# Altium PCB RFSOC_SAWG.PcbDoc (part 12 of 15) (continued)
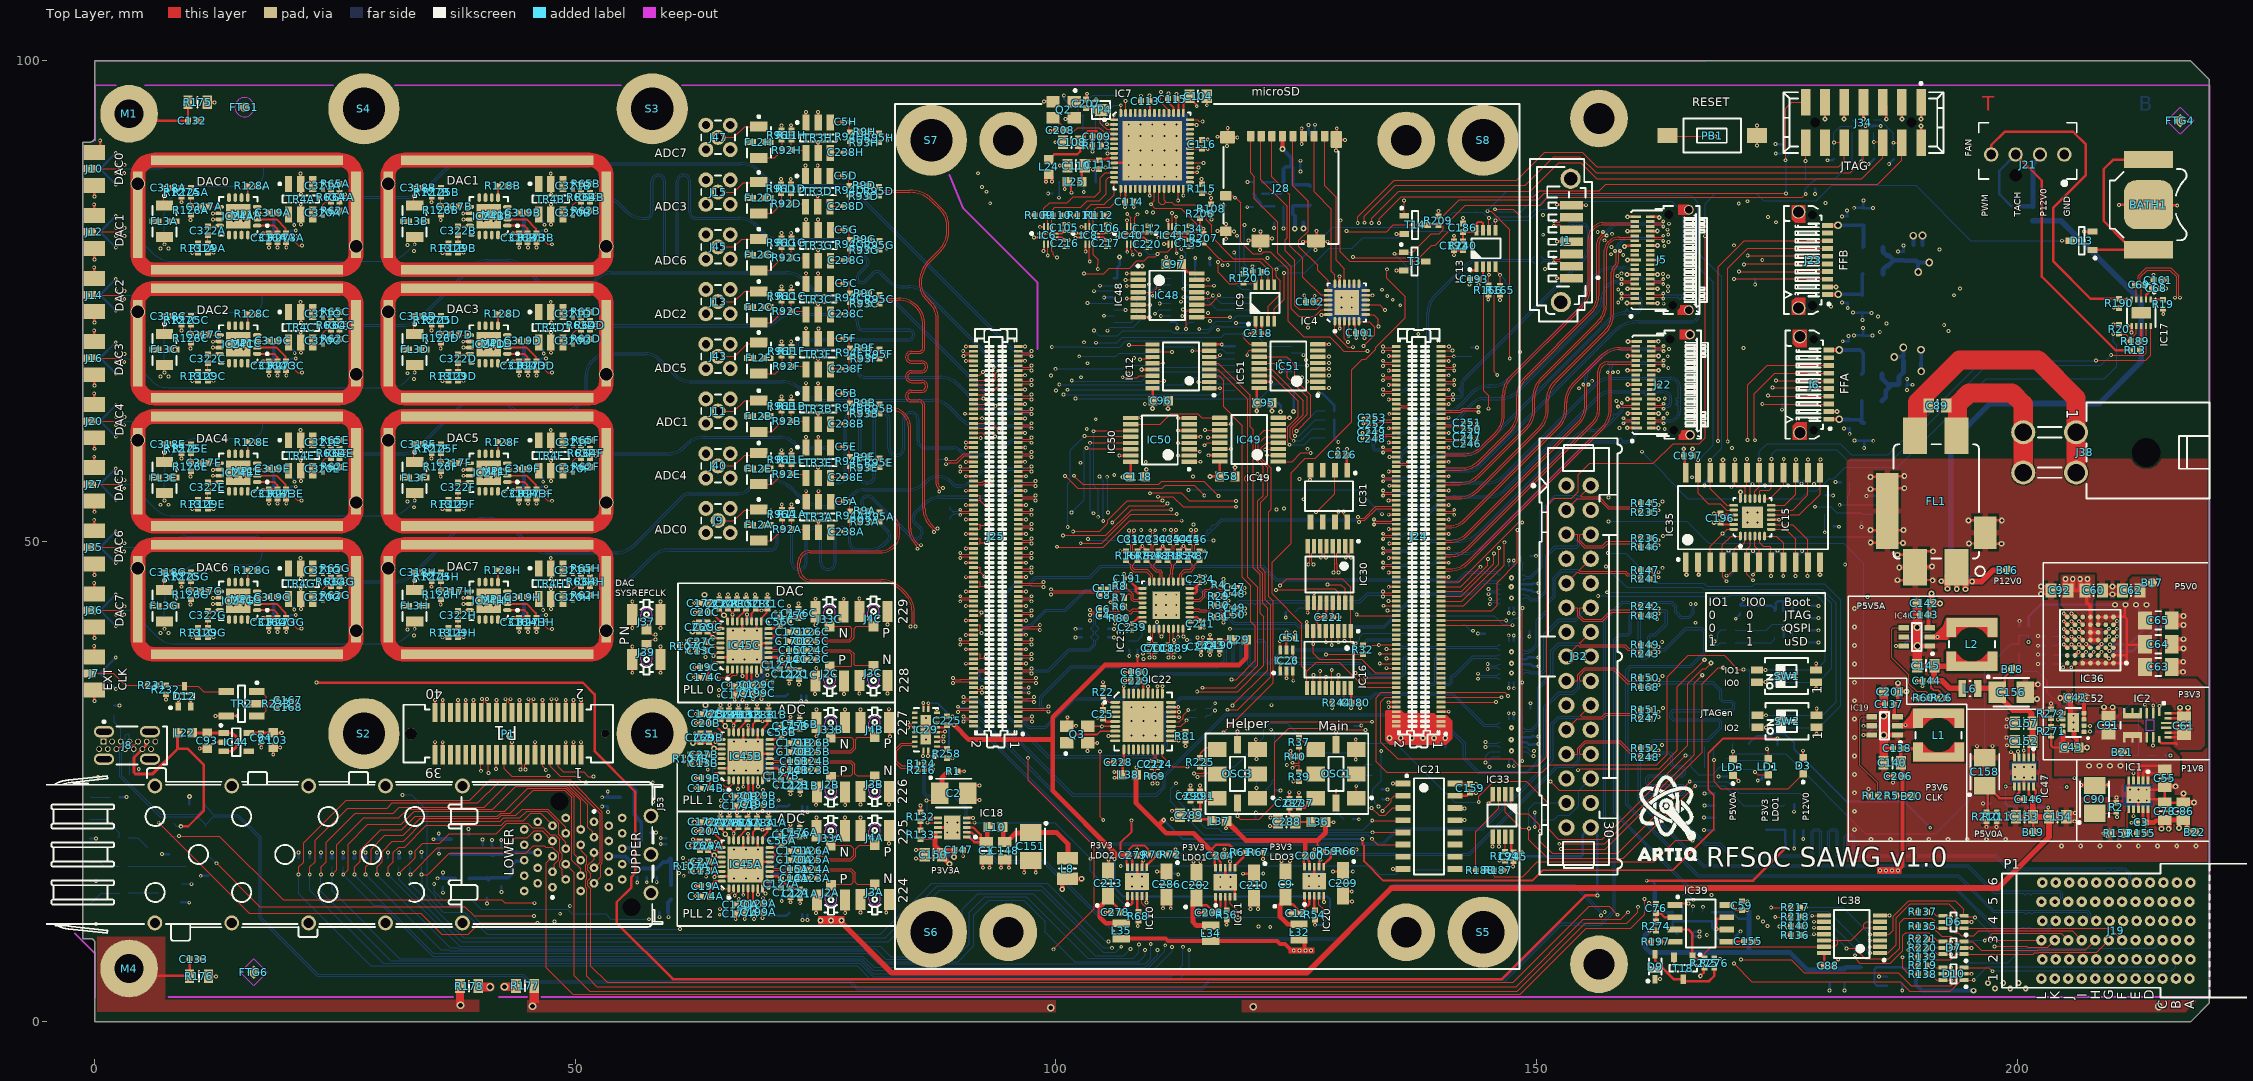
[diagram p0: Top Layer view]
## Nets (pads, with @x,y where several pads share a name; then routed paths per layer and width w, separated by ;. In a path a pad name is that pad's centre, name@x,y a point inside that pad or via, vN(x,y) a via of type N, cw(c..) or ccw(c..) an arc to the next point about the centre after c; other vN are vias at no path point) (continued)
P3V3_LDO3: C200.2 IC20.9 IC20.10 L36.1 L37.1 R59.2 TP26.1 | length 21.6
  Top Layer w0.2: 127.232,18.882 127.232,18.368 127.83,17.77 R59.2@127.83,17.75 ; L36.1@128.05,20.8 128.075,20.775 v1(128.9,20.775)
  Top Layer w0.254: v1@117.7,20.1 v1(117.7,20.15) 117.7,20.85 L37.1@117.75,20.9 ; IC20.10@125.875,16.125 125.852,16.148 125.852,16.49 125.787,16.556 125.787,17.147 C200.2@125.94,17.3 125.94,17.295 126.251,16.984 126.251,16.835 126.352,16.734 126.352,16.148 IC20.9@126.375,16.125
  Top Layer w0.5: L37.1@117.75,20.9 119.768,18.882 125.94,18.882 ; C200.2@125.94,17.3 125.94,18.882 ; L36.1@128.05,20.8 128.05,19.7 127.232,18.882 125.94,18.882
  Bottom Layer w0.2: TP26.1@127.3,21.15 127.675,20.775 v1(128.9,20.775)
P3V3_MODULE: J24.16 R117.2 R118.2 R164.2 R198.1 | length 64.8
  Top Layer w0.127: J24.16@135.415,34.272 133.854,34.272 133.325,33.743 133.325,27.075 134.45,25.95 150.6,25.95 151.412,26.762 162.538,26.762 163.6,27.825 163.6,35.925 165.8,38.125 169.525,38.125 171,36.65 v1(171.55,36.65)
  Bottom Layer w0.127: v1(171.55,36.65) 172.164,36.65 R118.2@172.205,36.609 R117.2@172.205,35.334 R198.1@172.205,31.884 R164.2@172.205,30.559
P3V3_MP: C219.2 C245.2 IC3.6 IC25.8 IC33.8 J32.30 R186.2 R187.2 R278.2 | length 239
  Top Layer w0.254: v1(23.075,35.3) 50.775,35.3 52,34.075 52,28.175 56.225,23.95 56.225,15.475 55.825,15.075 55.825,13.975 54.3,12.45 54.3,10.3 60.15,4.45 146.4,4.45 155.114,13.164 v1(156.337,13.164) ; R187.2@146.495,15.775 v1(147.025,15.773) v1(147.025,15.773) ; IC33.8@147.4,19.275 147.4,17.85 C245.2@147.6,17.65 148.443,17.65 148.474,17.619 v1(148.513,17.619) ; v1(161.472,14.692) 172.542,14.692 v1(175.925,18.075)
  Mid-Layer 3 w0.254: v1(156.337,13.164) 157.865,14.692 v1(161.472,14.692)
  Mid-Layer 6 w0.254: v1(3.296,23.394) 5.853,25.95 9.582,25.95 18.932,35.3 v1(23.075,35.3)
  Bottom Layer w0.254: R186.2@2.57,23.375 3.278,23.375 v1(3.296,23.394) ; v1(147.025,15.773) 147.025,17.085 147.559,17.619 v1(148.513,17.619) 148.908,17.225 154.651,17.225 154.8,17.374 154.8,19.45 155.588,20.238 J32.30@155.654,20.238 155.654,20.073 156.337,19.39 v1(156.337,13.164) ; v1(161.472,14.692) 162.003,14.692 R278.2@162.3,14.395 ; IC25.8@173.925,19.97 175.83,19.97 IC3.6@175.85,19.95 175.887,19.913 175.887,18.663 C219.2@175.925,18.625 v1(175.925,18.075)
P3V3_MP_B: C36.2 C37.2 C59.2 C88.2 IC14.5 IC38.14 IC39.8 R197.2 R226.2 R274.1 R278.1 R283.2 | length 46.6
  Top Layer w0.254: v1(161.295,8.33) 161.306,8.34 161.92,8.34 R197.2@161.93,8.35 ; v1(161.775,9.5) 161.778,9.503 162.447,9.503 R274.1@162.45,9.505 ; IC39.8@169.8,12.155 170.275,12.155 170.78,11.65 C59.2@171.375,11.65 v1(171.925,11.65) ; v1(179.28,5.999) 179.308,5.971 179.78,5.971 C88.2@179.922,5.828 179.922,7.172 IC38.14@179.925,7.175
  Bottom Layer w0.254: 162.3,11.35 162.345,11.395 R283.2@164.2,11.395 R283.2@164.145,11.45 ; R226.2@168.305,11.4 R226.2@168.3,11.395 170.355,11.395 171.025,10.725 172.1,10.725 ; v1(179.28,5.999) 179.28,5.445 179.3,5.425 ; IC14.5@183.65,5.675 IC14.5@183.875,5.675
  Bottom Layer w0.5: R278.1@162.3,13.455 162.3,11.35 162.3,10.025 v1(161.775,9.5) 161.295,9.02 v1(161.295,8.33) 161.295,7.78 161.843,7.232 172.1,7.232 ; v1(171.925,11.65) 172.1,11.475 172.1,10.725 172.1,7.232 ; C36.2@182.05,5.5 C37.2@180.5,5.5 180.425,5.425 179.3,5.425 178.175,5.425 176.368,7.232 172.1,7.232 ; C36.2@182.05,5.6 182.125,5.675 IC14.5@183.625,5.675
P3V3_SD: C39.2 C98.2 C100.2 C102.1 IC4.17 IC4.21 J28.4 Q1.2 Q1.3 R199.2 | length 37
  Top Layer w0.254: C102.1@126.9,74.925 C102.1@126.925,74.95 ; v1(126.925,75.55) C102.1@126.925,74.95 ; IC4.21@128.325,75.1 127.075,75.1 C102.1@126.925,74.95 ; IC4.17@129.525,76.8 v1(129.525,77.575)
  Top Layer w0.4: v4(123.565,90.808) 123.569,90.812 J28.4@123.569,92.169
  Mid-Layer 4 w0.254: v4(123.565,90.808) 124.107,90.267 125.441,90.267 126.175,89.532 126.175,84.625 129.525,81.275 v1(129.525,77.575) 129.519,77.569 128.944,77.569 v1(126.925,75.55)
  Bottom Layer w0.254: C39.2@121.45,86.175 123.4,86.175 123.65,86.425 123.65,87.33 Q1.2@123.697,87.378
  Bottom Layer w0.4: C100.2@123.575,92.125 123.575,90.85 124.522,89.903 C98.2@124.522,89.053 ; Q1.2@123.697,87.378 123.697,88.74 123.932,88.975 124.444,88.975 C98.2@124.522,89.053 ; R199.2@126.45,86.975 126.326,87.099 124.735,87.099 124.647,87.187 Q1.3@124.647,87.378 124.647,88.928 C98.2@124.522,89.053
P3V3_USB: C94.2 C103.2 C105.2 C106.2 C107.2 C112.2 C113.2 C114.2 C115.2 C116.2 C134.2 IC6.1 IC6.7 IC6.10 IC7.16 IC7.36 IC7.44 IC7.50 IC8.7 IC8.10 IC37.6 IC37.8 IC40.1 IC40.7 IC41.1 IC41.7 IC44.5 L24.1 L25.1 R108.2 R109.2 R110.2 R111.2 R112.2 R116.1 R119.2 R203.2 R204.2 R206.2 R207.2 | length 285.1
  Top Layer w0.2: v1(97.286,83.924) R109.2@97.711,83.924 ; v1(98.325,82.725) IC6.10@98.775,82.725 ; IC6.1@98.525,82.025 IC6.7@99.875,82.025 100.625,82.025 100.875,82.275 C105.2@100.875,82.3 v1(101.3,82.3) ; L24.1@98.984,88.115 98.959,88.14 L24.1@99.075,88.257 ; L24.1@99.275,88.2 L24.1@99.3,88.175 ; R110.2@100.659,83.952 100.671,83.94 v1(101.138,83.94) ; v1(100.925,86.65) 100.925,87.15 L25.1@101.175,87.4 101.575,87 101.575,86.377 101.625,86.327 v1(101.625,86.273) ; v1(101.681,83.877) 102.182,83.877 R111.2@102.205,83.9 ; v1(102.675,82.725) IC8.10@103.083,82.725 ; IC8.7@104.183,82.025 105,82.025 105.2,82.225 C106.2@105.2,82.25 v1(105.625,82.25) ; R112.2@104.995,83.9 105.039,83.944 v1(105.547,83.944) ; IC40.1@107.142,82.025 IC40.7@108.492,82.025 109.4,82.025 109.5,82.125 C112.2@109.5,82.15 v1(109.925,82.15) ; v1(107.2,84.8) C114.2@107.2,85.35 107.255,85.405 IC7.16@107.255,86.67 ; v1(109.746,96.379) 109.746,95.828 109.774,95.8 109.774,94.589 IC7.50@109.755,94.57 ; IC41.1@111.45,82.025 IC41.7@112.8,82.025 113.7,82.025 113.8,82.125 C134.2@113.8,82.15 113.802,82.152 114.254,82.152 v1(114.256,82.154) ; C115.2@112.55,96 112.736,95.814 112.736,94.589 IC7.44@112.755,94.57 ; C115.2@112.551,96.001 v1(112.551,96.563) ; IC7.36@113.955,90.87 115.18,90.87 C116.2@115.2,90.85 115.25,90.8 v1(115.8,90.8) ; R206.2@115,83.63 115,82.882 115.35,82.532 v1(115.35,82.525) 115.35,82.01 R207.2@115.375,81.985 ; R108.2@116.15,85.07 v1(116.15,85.709) ; v1(120.45,78.625) 120.465,78.61 120.465,78.065 R116.1@120.48,78.05
  Top Layer w0.3: IC44.5@16.016,30.053 18.541,30.053 C103.2@18.566,30.078 18.569,30.075 v3(19.425,30.075)
  Top Layer w0.4: v1(98.984,87.415) L24.1@98.984,88.115 ; L24.1@99.3,88.175 99.575,87.9 99.575,87.45 v1(99.578,87.447)
  Mid-Layer 4 w0.2: v3(19.425,30.075) 21.45,30.075 26.575,35.2 50.15,35.2 51.425,33.925 51.425,27.525 56.025,22.925 56.025,14.98 54.572,13.527 54.572,11.574 54.572,11.262 ccw(c55.862,11.262) 54.95,10.35 ccw(c55.071,10.471) 55.071,10.3 56.2,10.3 ; 58.694,8.075 81.5,8.075 85.9,12.475 96.375,12.475 99.075,15.175 99.075,20.8 98.475,21.4 98.475,30.325 100.3,32.15 100.3,46.025 98.425,47.9 98.425,78.65 97.286,79.789 v1(97.286,83.924) 97.3,83.938 98.475,83.938 ; v1(98.325,82.725) 98.325,83.788 98.475,83.938 ; v1(101.3,82.3) 100.65,82.3 99.012,83.938 ; v1@101.552,83.952 101.15,83.952 101.136,83.938 100.45,83.938 ; v1(101.681,83.877) 102.475,83.877 ; v1(102.675,82.725) 102.675,83.677 102.475,83.877 ; v1(107.2,84.8) 106.344,83.944 v1(105.547,83.944) 105.493,83.944 105.425,83.877 102.475,83.877 ; v1(109.925,82.15) 109.927,82.152 113.75,82.152 ; v1(120.45,78.625) 119.569,79.506 119.569,79.635 118.429,80.775 116.975,80.775 115.596,82.154 v1(114.256,82.154) 114.254,82.152 113.75,82.152 ; 98.475,83.938 99.012,83.938 ; 99.012,83.938 100.45,83.938 ; 100.45,83.938 100.275,84.113 100.275,84.875 100.34,84.94 v1(100.34,85.756) 100.378,85.794 100.378,86.08 100.636,86.337 102.887,86.337 v1(102.9,86.35) 102.9,94.85 103.452,95.402 103.599,95.402 v1(104.189,95.993) 104.189,96.005 104.537,96.353 104.537,96.487 104.846,96.796 109.329,96.796 v1(109.746,96.379) 109.8,96.379 110.006,96.173 112.16,96.173 v1(112.551,96.563) 115.662,96.563 116.375,95.85 116.375,91.375 v1(115.8,90.8) 116.5,90.1 116.5,86.066 116.15,85.715 v1(116.15,85.709) 113.75,83.309 113.75,82.152
  Bottom Layer w0.2: IC37.8@100.32,87.375 100.35,87.345 C107.2@100.35,86.2 100.345,86.195 100.345,85.761 v1(100.34,85.756) ; R204.2@100.35,95.245 100.375,95.27 101.575,95.27 R203.2@101.6,95.295 101.58,95.295 101.39,95.485 101.39,95.505 100.826,96.069 100.826,96.374 v1(100.825,96.375) ; IC37.6@102.86,87.375 102.9,87.335 v1(102.9,86.35) ; R119.2@104.175,95.35 104.189,95.364 v1(104.189,95.993)
P3V3A: C147.2 C149.1 C150.1 IC18.9 IC18.10 L26A.1 L26B.1 L26C.1 L27A.2 L27B.2 L27C.2 L28A.2 L28B.2 L28C.2 R133.2 | length 18.7
  Top Layer w0.2: R133.2@85.925,19.005 87.395,19.005 87.425,18.975
  Top Layer w0.5: 87.425,19.5 87.425,18.975 87.425,18.3 88.15,17.575 C150.1@88.15,17.565 ; v4(88.938,16.446) 88.929,16.446 88.15,17.225 C150.1@88.15,17.565 ; v4(89.387,17.168) 89.406,17.187 C147.2@89.406,17.856 ; C147.2@89.45,17.9 C147.2@89.406,17.856 ; C150.1@88.15,17.565 88.425,17.84 89.39,17.84 C147.2@89.406,17.856
  Bottom Layer w0.2: v4@63.447,44.372 v4@63.475,44.4
  Bottom Layer w0.254: v1(64.925,33.939) 64.935,33.949 65.507,33.949 L27C.2@65.517,33.958 ; v1(64.944,34.52) 64.954,34.53 65.527,34.53 L27C.2@65.537,34.54 ; v1(65.024,11.146) 65.539,11.146 L27A.2@65.843,11.45 ; v1(65.044,11.727) 65.054,11.736 L27A.2@65.626,11.736 ; v1(65.126,22.436) 65.135,22.446 65.708,22.446 L27B.2@65.718,22.456 ; v1(65.145,23.017) 65.155,23.027 65.728,23.027 L27B.2@65.737,23.037 ; v1(70.789,35.908) 70.799,35.918 71.372,35.918 L28C.2@71.381,35.928 ; v1(70.918,24.375) 70.927,24.385 71.5,24.385 L28B.2@71.51,24.395 ; v1(71.478,12.576) 71.478,13.122 L28A.2@71.51,13.154
  Bottom Layer w0.5: v4(62.379,20.757) 62.386,20.751 63.568,20.751 L26A.1@63.575,20.744 ; L26C.1@63.447,43.518 v4@63.447,44.372 ; v4(63.55,32.95) 63.55,32.01 L26B.1@63.575,31.985 ; v4(88.938,16.446) 88.929,16.446 88.15,17.225 C149.1@88.15,17.4 88.198,17.352 89.176,17.352 89.36,17.168 v4(89.387,17.168)
  other v4: 63.445,44.439
P3V6_CLK: B20.1 C138.2 C140.2 C206.2 L1.2 L32.1 L34.1 L35.1 R5.2 | length 37.4
  Top Layer w0.254: R5.2@187.42,23.55 188.025,23.55 188.075,23.5 B20.1@189.025,23.5
  Top Layer w0.4: L35.1@106.81,8.664 111.436,8.664 111.675,8.425 L34.1@116.1,8.425 123,8.425 123.325,8.1 123.85,8.1 124.425,7.525 124.65,7.525 v1(124.75,7.425) ; L32.1@125.3,8.55 125.675,8.55 125.875,8.35 125.875,7.525 v1(125.975,7.425) ; 186.713,15.737 v1(187.612,15.737) 188.075,16.2 188.075,23.5 C206.2@188.075,25.55 188.072,25.553 188.072,26.803 C140.2@187.925,26.95 187.9,26.975 187.9,28.425 189.555,28.425 L1.2@189.697,28.566
  other v1: 125.35,7.425 126.55,7.425 185.75,15.737 186.371,15.737 186.992,15.737
P5V0: B17.1 C42.1 C61.2 C62.2 C63.1 C64.1 C65.1 C67.2 IC2.12 IC2.13 IC2.14 IC36.A1 IC36.A2 IC36.A3 IC36.A4 IC36.A5 IC36.B1 IC36.F3 IC36.G1 IC36.G2 IC36.G3 IC52.3 IC52.4 J24.1 J24.2 J24.3 J24.4 J24.5 J24.6 J24.8 L8.1 P1.32 P1.34 R28.2 TP1.1 | length 132.4
  Top Layer w0.254: P1.34@37.8,32.2 v1(37.8,33.5) ; P1.32@38.6,32.2 v1(38.6,33.5) ; IC36.A5@206.837,37.329 IC36.A4@207.637,37.329 IC36.A3@208.437,37.329 IC36.A2@209.237,37.329 IC36.A1@210.037,37.329 211.154,37.329 211.425,37.6 211.425,38.1 ; IC36.F3@208.437,41.329 IC36.G3@208.437,42.129 IC36.G2@209.237,42.129 IC36.G1@210.037,42.129 210.066,42.158 211.209,42.158 ; IC36.B1@210.037,38.129 211.396,38.129 211.425,38.1 ; 211.209,42.129 211.425,41.913 211.425,39.25 ; v4@211.209,43.334 211.209,42.158 ; 211.238,42.158 211.209,42.158 ; C63.1@212.827,36.767 C63.1@212.827,36.866 ; C64.1@212.827,39.142 212.719,39.25 211.425,39.25 ; IC2.12@214.82,29.4 214.82,29.179 215.024,28.975 216.55,28.975 216.65,28.875 ; IC2.13@215.72,29.6 217.038,29.6 C61.2@217.367,29.929 217.196,30.1 IC2.14@215.72,30.1 ; 211.425,38.1 211.425,39.25
  Top Layer w0.4: C42.1@206.85,33.725 206.975,33.6 IC52.4@206.975,32.125 IC52.3@206.975,31.475
  Top Layer w0.5: v4(100.665,13.799) 100.665,14.568 L8.1@100.711,14.614 ; L8.1@102.011,14.877 v4@102.661,14.877
  Mid-Layer 4 w0.2: 40.888,12.962 48.35,5.5 97.525,5.5 98.625,6.6 98.625,10.575 102.75,14.7 106.807,14.7 ; 137.316,17.491 141,21.175 141,31.2
  Bottom Layer w0.2: v4(140.508,29.525) 140.542,29.492 140.542,28.558 TP1.1@140.575,28.525
  Bottom Layer w0.254: R28.2@201.225,41.17 201.225,42.175 202.45,43.4 v4(210.192,43.4) ; v4(212.375,43.4) 212.375,43.306 212.725,42.956 C67.2@212.725,42.175
  other v4: 102.681,14.896 134.717,29.525 135.875,29.525 137.033,29.525 138.192,29.525 139.35,29.525 211.283,43.4 213.467,43.4
P5V0_VPA: C30A.2 C128A.2 C129A.2 C130A.2 C131A.2 C199A.2 IC45A.6 IC45A.17 IC45A.19 L20A.1 | length 22.8
  Top Layer w0.2: IC45A.6@68.475,13.894 68.475,12.419 C129A.2@68.6,12.294 68.575,12.269 v1(68.575,10.716) ; IC45A.19@68.475,18.894 68.475,19.734 C128A.2@68.9,20.159 ; C128A.2@68.9,20.144 68.995,20.049 69.344,20.049 69.406,19.987 v1(69.46,19.987) 69.498,20.026 69.807,20.026 C131A.2@69.85,20.069 ; IC45A.17@69.475,18.894 69.475,19.196 69.525,19.246 69.525,19.284 70.007,19.766 70.007,20.167 C131A.2@70.1,20.259
  Mid-Layer 6 w0.4: v1@68.6,10.771 68.6,11.875 68.42,12.055 68.42,18.183 68.425,18.188 68.425,19.071 69.341,19.987 v1(69.46,19.987)
  Bottom Layer w0.254: v1(68.575,10.716) 68.547,10.744 68.547,11.194 C130A.2@69.21,11.857 70.042,11.025 71.931,11.025 L20A.1@72.25,11.344
  Bottom Layer w0.4: v1(69.46,19.987) 69.622,20.149 69.99,20.149 C30A.2@70.1,20.259
P5V0_VPB: C30B.2 C128B.2 C129B.2 C130B.2 C131B.2 C199B.2 IC45B.6 IC45B.17 IC45B.19 L20B.1 | length 26
  Top Layer w0.2: IC45B.6@68.475,25.135 68.475,23.66 C129B.2@68.6,23.535 ; IC45B.19@68.475,30.135 68.475,30.975 C128B.2@68.9,31.4 ; C128B.2@68.9,31.385 68.995,31.29 69.47,31.29 v1(69.474,31.286) 69.497,31.31 C131B.2@69.85,31.31 ; IC45B.17@69.475,30.135 69.475,30.437 69.525,30.487 69.525,30.525 70.007,31.007 70.007,31.407 C131B.2@70.1,31.5
  Top Layer w0.254: v1(68.532,22.092) 68.56,22.12 68.56,22.598 C199B.2@68.6,22.638 C129B.2@68.6,23.535
  Mid-Layer 3 w0.4: v1(65.324,24.093) 65.324,24.24 66.3,25.216 66.38,25.216 66.736,25.573 ; 66.876,25.677 67.145,25.946 67.145,29.424 67.498,29.777 67.527,29.777 67.8,30.05 68.266,30.05 69.474,31.258 v1(69.474,31.286)
  Bottom Layer w0.254: v1(65.324,24.093) 65.346,24.071 66.246,24.071 66.525,23.792 68.227,23.792 C130B.2@68.896,23.123 ; v1(68.532,22.092) 68.532,22.759 C130B.2@68.896,23.123 ; v1(69.474,31.286) 69.513,31.286 69.544,31.317 69.917,31.317 C30B.2@70.1,31.5 ; L20B.1@72.25,22.585 72.087,22.421 71.054,22.421 70.833,22.2 69.86,22.2 69.51,22.55 69.469,22.55 C130B.2@68.896,23.123
P5V0_VPC: C30C.2 C128C.2 C129C.2 C130C.2 C131C.2 C199C.2 IC45C.6 IC45C.17 IC45C.19 L20C.1 | length 24
  Top Layer w0.2: IC45C.6@68.347,36.668 68.347,35.193 C129C.2@68.472,35.068 ; IC45C.19@68.347,41.668 68.347,42.508 C128C.2@68.772,42.933 ; C128C.2@68.772,42.918 68.865,42.825 v1(69.375,42.825) 69.393,42.843 C131C.2@69.722,42.843 ; IC45C.17@69.347,41.668 69.347,41.97 69.397,42.02 69.397,42.058 69.879,42.54 69.879,42.941 C131C.2@69.972,43.033
  Top Layer w0.254: C129C.2@68.472,35.068 C199C.2@68.472,34.171 68.473,34.169 68.473,33.602 v1(68.475,33.6)
  Mid-Layer 3 w0.4: v1(68.475,33.6) 68.475,33.963 66.775,35.663 66.775,36.7 67.017,36.942 67.017,39.741 67.251,39.975 67.991,39.975 68.225,40.209 68.225,41.675 v1(69.375,42.825)
  Bottom Layer w0.2: v1(69.375,42.825) 69.763,42.825 C30C.2@69.972,43.033
  Bottom Layer w0.254: v1(68.475,33.6) 68.475,34.024 C130C.2@69.082,34.631 69.836,33.877 71.881,33.877 L20C.1@72.122,34.118
P5V0A: B19.1 C146.2 C153.1 C154.1 IC47.9 IC47.10 L20A.2 L20B.2 L20C.2 L54A.2 L54B.2 L54C.2 L54D.2 L54E.2 L54F.2 L54G.2 L54H.2 R179.2 R213.2 | length 198.4
  Top Layer w0.2: v1(203.25,22.293) 203.25,21.398 C154.1@203.325,21.323
  Top Layer w0.254: B19.1@201.675,19.75 201.675,21.208 C153.1@201.675,21.325
  Top Layer w0.3: IC47.9@201.225,24.5 201.225,23.712 201.49,23.447 201.49,23.335 C146.2@201.65,23.175 201.95,23.475 201.95,24.074 201.774,24.25 201.725,24.25 IC47.10@201.725,24.5
  Top Layer w0.6: v4(76.612,10.554) 77.471,10.554 77.575,10.45 82.925,5.1 126.1,5.1 134.93,13.93 198.03,13.93 203.325,19.225 C154.1@203.325,21.323 ; v4@76.612,10.555 76.612,10.575 v4@76.851,10.575 ; C146.2@201.65,23.175 201.65,22.295 201.651,22.293 201.651,21.205 201.662,21.195 201.675,21.208 201.791,21.324 C154.1@203.274,21.324
  Mid-Layer 6 w0.2: v1(190.975,20.2) 195.05,20.2 195.522,19.728 202.428,19.728 203.25,20.55 v1(203.25,22.293)
  Bottom Layer w0.2: L54G.2@20.209,43.634 20.209,43.609 20.712,43.107 20.712,42.938 v1(20.75,42.9) ; L54E.2@20.209,56.894 20.209,56.869 20.737,56.342 20.737,56.238 v1(20.775,56.2) ; L54C.2@20.209,70.329 20.209,70.304 20.762,69.752 20.762,69.613 v1(20.8,69.575) ; L54A.2@20.209,83.639 20.209,83.614 20.712,83.112 20.712,82.938 v1(20.75,82.9) ; L54H.2@46.244,43.634 46.619,43.259 46.619,42.896 v1(46.653,42.862) ; L54F.2@46.244,56.944 46.619,56.569 46.619,56.231 v1(46.653,56.197) ; L54D.2@46.244,70.354 46.619,69.979 46.619,69.699 46.712,69.606 v1(46.712,69.552) ; L54B.2@46.244,83.664 46.244,83.639 46.745,83.139 46.745,82.979 v1(46.783,82.941) ; R179.2@172.125,28.925 R179.2@172.125,28.975 172.125,29.025 172.475,29.375 172.525,29.375 172.9,29.75 174.45,29.75 174.7,30 175.85,30 176.825,29.025 176.825,28.375 182.275,22.925 188.25,22.925 v1(190.975,20.2) ; R213.2@200.895,22.286 200.902,22.293 v1(203.25,22.293)
  Bottom Layer w0.254: L20C.2@73.478,33.968 73.487,33.959 73.487,33.386 v1(73.497,33.376) ; L20A.2@73.606,11.194 73.616,11.184 73.616,10.612 v1(73.625,10.602) ; L20B.2@73.606,22.435 73.616,22.425 73.616,21.853 v1(73.625,21.843) ; L20C.2@74,33.941 74.01,33.931 74.01,33.358 v1(74.02,33.348) ; L20A.2@74.129,11.166 74.138,11.157 74.138,10.584 v1@74.148,10.574 ; L20B.2@74.129,22.407 74.138,22.398 74.138,21.825 v1(74.148,21.815)
  other v1: 74.148,10.602
  other v4: 75.52,10.554 77.703,10.554
P5V5A: B18.1 C152.1 C156.1 C157.2 IC47.1 IC47.2 L6.2 | length 16.2
  Top Layer w0.254: C156.1@197.95,34.3 198.723,35.073 198.723,35.898 B18.1@199.525,36.7
  Top Layer w0.3: IC47.2@201.225,27.5 201.225,28.8 C152.1@201.6,29.175 201.725,29.05 IC47.1@201.725,27.5
  Top Layer w0.6: L6.2@196.075,34.725 197.525,34.725 C156.1@197.95,34.3 197.95,34.075 199.575,32.45 201.149,32.45 201.5,32.099 201.5,31.15 C157.2@201.6,31.05 C152.1@201.6,29.175
P12V0: B16.1 C60.2 C92.2 C137.2 C142.2 C143.2 C201.2 D3.2 FL1.2 IC19.3 IC36.D3 IC36.D4 IC36.E3 IC36.E4 IC36.F4 IC36.G4 IC46.3 J19.A1 J19.D1 J19.E1 J19.G1 J19.H1 J19.J1 J19.K1 J32.28 J32.29 L3.1 R123.1 | length 108.1
  Top Layer w0.2: D3.2@177.75,27.475 v1(177.75,28.215)
  Top Layer w0.4: IC19.3@187.565,31.76 187.308,31.76 187.233,31.835 187.233,32.992 C137.2@187.175,33.05 187.588,33.463 187.588,34.285 C201.2@187.633,34.329 ; IC46.3@190.847,41.072 IC46.3@190.918,41 190.85,41 190.775,41.075 C143.2@190.775,42.35 190.885,42.46 190.885,43.31 191.107,43.532 191.118,43.543 C142.2@191.125,43.55 ; C92.2@205.325,44.9 C60.2@207.075,44.9 207.25,44.725 207.25,43.65 207.637,43.263 IC36.G4@207.637,42.129 207.656,42.109 207.656,41.348 IC36.F4@207.637,41.329 207.656,41.309 207.656,40.548 IC36.E4@207.637,40.529 IC36.D4@207.637,39.756 ; IC36.D4@207.637,39.729 IC36.D3@208.437,39.729 ; IC36.E4@207.714,40.529 IC36.E3@208.437,40.529
  Top Layer w0.5: C201.2@187.625,34.575 v4@187.625,35.225 ; C201.2@187.845,34.353 v4@188.495,34.353
  Top Layer w0.6: C142.2@190.922,43.564 190.943,43.543 C142.2@191.107,43.543 ; C142.2@191.107,43.358 191.107,43.532 C142.2@191.107,43.543 ; v4(191.107,44.572) C142.2@191.107,43.543 ; v4(191.981,43.543) 191.118,43.543 C142.2@191.107,43.543 ; v4(192.113,45.852) FL1.2@192.756,45.852 ; v4(192.756,45.062) FL1.2@192.756,45.852 ; FL1.2@192.756,46.277 FL1.2@192.756,45.852 ; FL1.2@192.77,46.37 FL1.2@193.05,46.089 ; FL1.2@193.327,45.852 FL1.2@192.756,45.852 ; v4(193.735,45.029) FL1.2@193.735,46.244 ; FL1.2@194.118,45.832 FL1.2@194.641,45.832 ; v4(194.641,45.009) FL1.2@194.641,45.832 ; FL1.2@194.641,46.224 FL1.2@194.641,45.832 ; B16.1@199,47 197.5,47 196.332,45.832 v4(195.332,45.832) FL1.2@194.641,45.832 ; C92.2@205.056,44.877 v4(205.056,46.091) ; C92.2@205.802,44.958 v4(205.802,46.091) ; C60.2@206.571,44.988 v4(206.571,46.091) ; C60.2@207.347,44.988 v4(207.347,46.091)
  Top Layer w1: C92.2@205.25,44.975 C92.2@205.325,44.9
  Mid-Layer 4 w0.4: J32.29@153.114,20.238 J32.28@155.654,22.778 159.203,22.778
  Bottom Layer w0.4: R123.1@189.5,4.605 189.5,3.85 190.1,3.25 v4(195.475,3.25)
  Bottom Layer w0.6: v4(195.332,45.832) 193.1,48.064 193.1,60.25 197.2,64.35 208.575,64.35 212.925,68.7 212.925,75 204.575,83.35 L3.1@201.65,83.35
  other v4: 197.7,3.475 199.3,3.475 200.9,3.475 196.975,4.05 198.575,4.05 200.175,4.05 188.514,34.372 187.606,35.244
PCIe_RESET_N: J24.48 R208.2 | length 11
  Top Layer w0.08: v1(131.298,42.403) 131.428,42.272 J24.48@135.415,42.272
  Bottom Layer w0.08: R208.2@124.895,42.65 124.895,42.67 125.145,42.92 125.165,42.92 125.323,43.078 130.622,43.078 v1(131.298,42.403)
PE_CLK.CLK_N: IC29.18 R216.1 | length 6.5
  Top Layer w0.093: IC29.18@85.325,29.15 85.15,29.15 85.072,29.071 85.072,29.064 85.017,29.01 83.935,29.01 83.23,28.305 83.23,27.034 83.859,26.405 85.125,26.405 85.424,26.405 85.478,26.351 85.478,26.328 85.642,26.165 R216.1@85.662,26.165
PE_CLK.CLK_P: IC29.19 R124.1 | length 5.8
  Top Layer w0.093: IC29.19@85.325,28.65 85.15,28.65 85.072,28.729 85.072,28.736 85.017,28.79 84.026,28.79 83.45,28.214 83.45,27.125 83.95,26.625 85.217,26.625 85.424,26.625 85.478,26.679 85.478,26.702 85.642,26.865 R124.1@85.662,26.865
PE_CLK_N: J19.F4 R216.2 | length 149.4
  Top Layer w0.093: R216.2@86.322,26.165 86.342,26.165 86.505,26.328 86.505,26.351 86.56,26.405 86.988,26.405 87.142,26.251 v1(87.225,26.251)
  Mid-Layer 6 w0.08: v1(157.102,11.424) 157.102,11.198 164.1,4.2 190.75,4.2 192.31,5.76 192.31,8.578 193.411,9.679 199.475,9.679 199.915,9.679 199.985,9.749 199.985,9.759 200.055,9.829 200.195,9.829 200.265,9.759 200.265,9.749 200.335,9.679 200.475,9.679 200.545,9.749 200.545,9.759 200.615,9.829 200.755,9.829 200.825,9.759 200.825,9.749 200.895,9.679 201.035,9.679 201.105,9.749 201.105,9.759 201.175,9.829 201.315,9.829 201.385,9.759 201.385,9.749 201.455,9.679 201.775,9.679 211.588,9.679 211.635,9.726 211.635,10.149 211.283,10.5 J19.F4@211.038,10.5
  Bottom Layer w0.093: v1(87.225,26.251) 87.171,26.251 87.017,26.405 86.655,26.405 86.4,26.15 86.4,25.925 86.4,23.853 86.4,23.825 86.58,23.645 86.875,23.645 88.379,23.645 89.441,23.645 90.775,22.311 90.775,19.925 93.905,16.795 98.841,16.795 106.891,8.745 129.584,8.745 135.159,14.32 153.989,14.32 156.847,11.463 157.064,11.463 v1(157.102,11.424)
PE_CLK_P: J19.E4 R124.2 | length 150.1
  Top Layer w0.093: R124.2@86.322,26.865 86.342,26.865 86.505,26.702 86.505,26.679 86.56,26.625 86.988,26.625 87.142,26.778 v1(87.225,26.778)
  Mid-Layer 6 w0.08: v1(156.73,11.051) 156.956,11.051 164.014,3.993 190.836,3.993 192.517,5.674 192.517,8.492 193.497,9.472 211.674,9.472 211.842,9.64 211.842,10.149 212.193,10.5 J19.E4@212.438,10.5
  Bottom Layer w0.093: v1(87.225,26.778) 87.171,26.778 87.017,26.625 86.564,26.625 86.18,26.241 86.18,23.734 86.489,23.425 89.35,23.425 90.555,22.22 90.555,19.834 93.814,16.575 98.75,16.575 106.8,8.525 129.675,8.525 135.25,14.1 153.898,14.1 156.691,11.307 156.691,11.09 v1(156.73,11.051)
PG_1.8V: IC1.4 IC2.11 IC10.4 IC11.4 IC12.10 IC18.4 IC20.4 IC32.10 IC34.10 IC43.10 IC47.4 IC52.2 R3.2 T5.1 | length 384.9
  Top Layer w0.127: IC18.4@90.725,20.725 v1(91.55,20.725) ; v1(104.592,28.142) 104.592,21.333 v1(104.925,21) ; IC10.4@108.95,13.1 108.95,12.35 109.6,11.7 v1(109.6,11) ; IC12.10@110.05,69.825 110.175,69.7 v1(112.08,69.7) ; IC11.4@118.125,13.025 118.125,12.3 118.95,11.475 v1(118.95,10.875) ; IC20.4@127.375,13.125 127.375,12.175 127.8,11.75 v1(127.8,11.45) ; v1(200.088,28.148) 200.088,28.087 200.139,28.036 200.139,27.586 IC47.4@200.225,27.5 ; IC52.2@206.975,30.825 206.994,30.806 207.562,30.806 v1(207.581,30.788) ; IC1.4@212.125,25.125 v1(212.125,25.875) ; v1(214.163,28.751) 214.167,28.755 214.167,29.597 IC2.11@214.17,29.6
  Mid-Layer 3 w0.127: v1(57.65,10.675) 59.4,8.925 81.675,8.925 86.196,13.446 99.296,13.446 102.825,16.975 v1(103.6,16.975) ; v1(104.592,28.142) 106.2,29.75 106.2,37.202 107.485,38.487 108.717,38.487 108.851,38.353 108.952,38.353 109.028,38.277 v1@109.028,38.176 ; v1(105,73.475) 107.35,73.475 107.941,72.884 112.584,72.884 v1(113.15,73.45) 114.4,73.45 115.35,72.5 117.694,72.5 117.86,72.335 122.186,72.335 122.352,72.5 125.975,72.5 v1(126.228,72.247) 127.856,72.247 128.134,72.525 129.359,72.525 129.58,72.746 135.504,72.746 135.65,72.6 141.925,72.6 143.125,71.4 148.225,71.4 149.9,69.725 149.9,62.825 152.025,60.7 164.434,60.7 165.809,62.075 176.35,62.075 176.9,62.625 179.4,62.625 183.675,58.35 191,58.35 194,55.35 194,49.375 199.668,43.707 199.668,28.568 v1(200.088,28.148) 200.461,27.775 204.15,27.775 207.163,30.788 v1(207.581,30.788) 207.979,30.788 212.125,26.641 ; v1(205.984,25.357) 211.607,25.357 v1(212.125,25.875) 212.125,26.63 ; 212.084,26.672 212.125,26.63 ; v1(214.163,28.751) 212.125,26.713 212.125,26.63
  Mid-Layer 6 w0.127: v1(10.05,14.325) 10.069,14.344 35.295,14.344 v1(35.314,14.363) ; v1(103.6,16.975) 103.6,17.8 104.925,19.125 v1(104.925,21) ; v1@109.028,38.176 109.028,39.997 108.6,40.425 108.6,45.675 113.55,50.625 113.55,53.175 113.407,53.318 113.407,55.165 113.407,67.968 112.08,69.295 v1(112.08,69.7) 113.15,70.77 v1(113.15,73.45) ; v1(125.775,69.366) 126.228,69.819 v1(126.228,72.247)
  Bottom Layer w0.127: T5.1@8.975,14.375 10,14.375 v1(10.05,14.325) ; v1(35.314,14.363) 35.314,13.586 36.2,12.7 39.2,12.7 40.2,11.7 49.223,11.7 49.698,11.225 53.15,11.225 53.7,10.675 v1(57.65,10.675) ; v1(91.55,20.725) 99.875,20.725 v1@103.613,16.987 ; v1(103.6,16.975) 103.6,15.75 108.35,11 v1(109.6,11) 109.674,11 109.767,10.906 127.256,10.906 v1@127.9,11.55 ; v1(105,73.475) 106.002,73.475 IC32.10@106.025,73.452 ; v1(113.15,73.45) 114.398,73.45 IC34.10@114.4,73.452 ; IC43.10@124.5,69.625 125.515,69.625 v1(125.775,69.366) ; R3.2@204.32,25.4 204.363,25.357 v1(205.984,25.357)
  other v1: 109.078,38.301
PG_5V: IC36.B5 R28.1 R105.1 R121.2 T23.1 | length 59.4
  Top Layer w0.254: IC36.B5@206.837,38.129 207.187,38.479 v1(207.187,38.504)
  Mid-Layer 3 w0.127: v1(201.2,39.525) 201.2,38.925 201.4,38.725 202.925,38.725 203.537,38.113 206.796,38.113 v1(207.187,38.504)
  Bottom Layer w0.127: T23.1@169.813,27.435 170.013,27.435 170.313,27.735 170.612,27.735 170.752,27.875 175.925,27.875 184.225,19.575 191.5,19.575 196.65,24.725 196.65,36.575 199.395,39.32 R105.1@200.25,39.32 R121.2@200.25,40.23 R28.1@201.225,40.23 201.2,40.205 v1(201.2,39.525)